# KiCad board PANEL5x4_COM_MOD.kicad_pcb (continued)
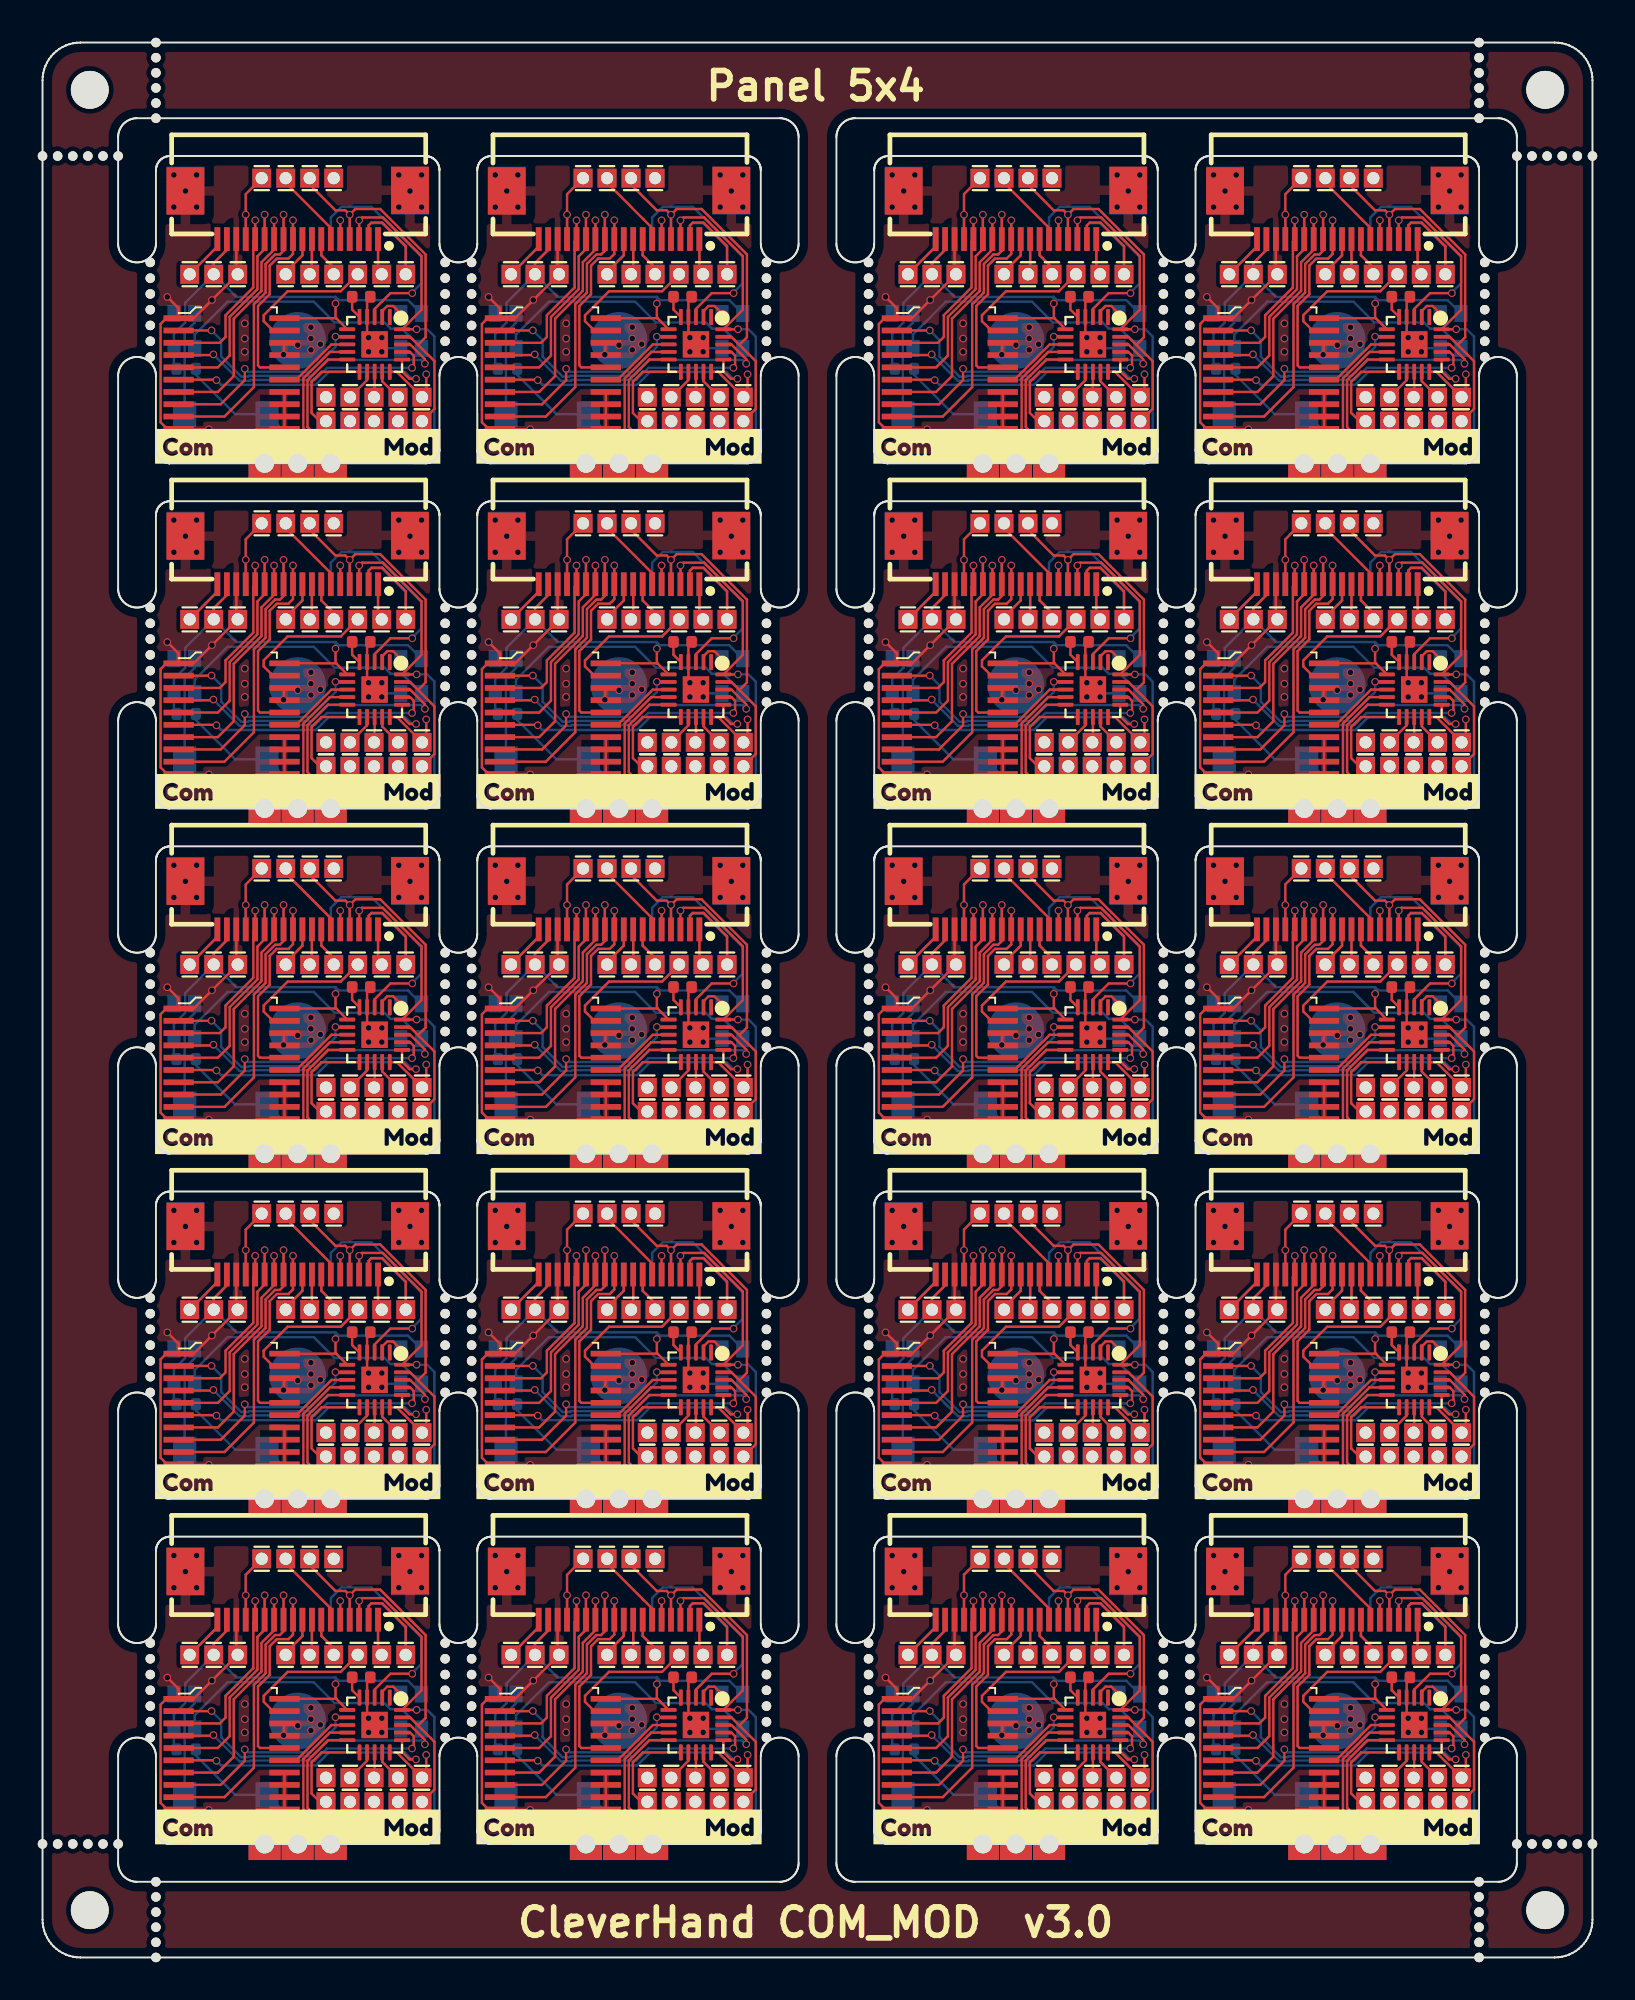
[diagram p0: board, top side]
## Routing (per net, layer and track width the routed paths; a pad name or vN(x,y) marks a point on that pad's centre or on a via; arc(x,y) is an arc through that point) (continued)
Board_9-Net-(LED1-DO): length 14.5
  Bottom w0.127: 37.05,48.59 36.01,49.63 35.41,49.63 35.09,49.95 32.45,49.95 31.35,51.05 26.79,51.05 25.05,49.31 25.05,48.59
Board_10-+3.3V: length 26.7
  Top w0.127: U1#8.6 53.55,50.16 ; 53.55,50.16 53.53,50.18 U2#12.20 ; 53.55,50.16 53.5,50.21 v1(53.5,50.95) ; 47.75,54.33 47.75,53.79 47.05,53.09 J1#15.1
  Bottom w0.127: J1#15.1 48.26,51.3 53.5,51.3 ; J1#15.1 45.55,50.99 45.55,49.95 44.95,49.35 44.95,47.64 R1#8.1 ; J1#15.1 47.05,53.09 47.75,53.79 47.75,54.33 ; 58.05,50.42 57.34,51.13 53.67,51.13 53.5,51.3 ; 53.5,51.3 v1(53.5,50.95)
Board_10-/addr_bus_0: length 10.5
  Top w0.127: U2#12.3 47.37,48.88 47.68,49.18 47.68,50.33 49.15,51.8 49.15,54.23 49.25,54.33 v1(49.25,55.35)
  Bottom w0.127: 49.25,54.33 v1(49.25,55.35)
Board_10-/addr_bus_1: length 12.5
  Top w0.127: v1(49.75,55.65) 49.75,53.83 49.37,53.45 49.37,51.71 47.9,50.24 47.9,48.2 47.27,47.58 U2#12.5
  Bottom w0.127: 49.75,54.33 v1(49.75,55.65)
Board_10-/addr_bus_2: length 13.4
  Top w0.127: v1(50.25,55.35) 50.25,53.8 49.58,53.13 49.58,51.62 48.12,50.15 48.12,47.12 47.27,46.28 U2#12.7
  Bottom w0.127: 50.25,54.33 v1(50.25,55.35)
Board_10-/addr_bus_3: length 15.9
  Top w0.127: U2#12.9 47.62,44.98 49.18,46.53 49.18,50.91 49.8,51.53 49.8,53.04 50.3,53.55 50.55,53.55 50.75,53.74 v1(50.75,55.65)
  Bottom w0.127: 50.75,54.33 v1(50.75,55.65)
Board_10-/addr_bus_4: length 11.3
  Top w0.127: v1(51.25,55.35) 51.25,53.57 51.01,53.33 50.39,53.33 50.02,52.95 50.02,51.44 49.4,50.82 49.4,47.68 49.5,47.58 U2#12.16
  Bottom w0.127: 51.25,54.33 v1(51.25,55.35)
Board_10-/addr_mod_0: length 16.8
  Top w0.127: v1(58.23,47.77) 58.23,48.01 57.44,48.79 U1#8.18 ; v1(46.94,49.53) 46.93,49.53 U2#12.2
  Bottom w0.127: v1(46.94,49.53) 47.45,49.02 47.45,48.15 48.51,47.09 48.87,47.09 48.91,47.13 52.27,47.13 53.12,47.97 58.03,47.97 v1(58.23,47.77)
Board_10-/addr_mod_1: length 14.6
  Top w0.127: v1(57.55,47.55) 57.55,47.61 57.64,47.7 57.64,48.2 57.44,48.39 U1#8.17 ; v1(47.04,48.26) 47,48.23 U2#12.4
  Bottom w0.127: v1(47.04,48.26) 47.04,48.25 48.42,46.87 48.96,46.87 49,46.91 52.41,46.91 53.05,47.55 v1(57.55,47.55)
Board_10-/addr_mod_2: length 14.6
  Top w0.127: U1#8.16 57.02,47.37 57.42,46.97 v1(57.76,46.97) ; v1(47.2,46.9) 47.17,46.93 U2#12.6
  Bottom w0.127: v1(47.2,46.9) 47.45,46.65 52.46,46.65 53.14,47.33 57.18,47.33 57.55,46.97 v1(57.76,46.97)
Board_10-/addr_mod_3: length 11.2
  Top w0.127: v1(53.5,49.2) 53.68,49.2 53.69,49.19 U1#8.7 ; U2#12.8 47.42,45.63 48.7,46.9 v1(48.7,47.5)
  Bottom w0.127: v1(48.7,47.5) 48.85,47.35 52.18,47.35 53.5,48.66 v1(53.5,49.2)
Board_10-/addr_mod_4: length 4.1
  Top w0.127: U2#12.15 51.42,46.93 53.29,48.79 54.12,48.79 U1#8.8
Board_10-/AIN0: length 5.3
  Top w0.127: U1#8.11 52.76,47.34 52.23,46.81 52.23,45.17 52.67,44.73 53,44.73
Board_10-/AUX1: length 4.9
  Top w0.127: J19#13.1 47.25,53.97 47.25,54.33
  Bottom w0.127: 47.25,54.33 47.25,53.97 J19#13.1
Board_10-/AUX2: length 9.5
  Top w0.127: 55.25,54.33 55.25,55.08 55.4,55.23 55.97,55.23 57.22,53.99 J20#16.1
  Bottom w0.127: 55.25,54.33 55.25,55.08 55.37,55.2 55.96,55.2 57.22,53.94 J20#16.1
Board_10-/AUX3: length 4.9
  Top w0.127: 48.75,54.33 v1(48.75,55.65) 48.75,56.74 J3#3.1
  Bottom w0.127: v1(48.75,55.65) 48.75,54.33
Board_10-/CSB: length 7.5
  Top w0.127: J8.1 53.77,51.6 50.97,51.6 49.7,50.33 49.7,50.02 50.19,49.53 U2#12.19
Board_10-/extRef: length 3.8
  Top w0.127: J9#4.1 55.75,52.7 55.75,54.33
  Bottom w0.127: 55.75,54.33 55.75,52.7 J9#4.1
Board_10-/GPIO: length 17.7
  Top w0.127: U1#8.10 53.1,47.99 52.02,46.9 52.02,44.42 52.36,44.08 53.62,44.08 54.27,44.73
  Bottom w0.127: 54.27,44.73 53.62,44.08 50.91,44.08 49.88,45.1 48.19,45.1 46.11,47.18 R1#8.2
Board_10-/i2C_SCL: length 22.5
  Top w0.127: 54.75,54.33 v1(54.75,55.35) 54.9,55.5 56.01,55.5 58.05,53.46 58.05,50.62 U1#8.20 v1(57.79,49.59)
  In2.Cu w0.127: J23#12.1 54.75,56.24 v1(54.75,55.35)
  Bottom w0.127: 56.81,44.73 57.46,44.08 58.73,44.08 58.73,49.21 58.35,49.59 v1(57.79,49.59) ; v1(54.75,55.35) 54.75,54.33
Board_10-/I2C_SDA: length 21.5
  Top w0.127: 57.87,48.77 58.27,49.17 58.27,53.55 55.86,55.95 54.55,55.95 v1(54.25,55.65) ; 57.87,48.77 57.44,49.19 U1#8.19 ; 57.87,48.77 58.73,47.9 58.73,45.38 58.08,44.73 ; v1(54.25,55.65) 54.02,55.88 53.49,55.88 52.13,57.24 J10#4.1 ; v1(54.25,55.65) 54.25,54.33
  Bottom w0.127: v1(54.25,55.65) 54.25,54.33
Board_10-/IO1_in: length 12.2
  Top w0.127: U1#8.3 55.57,50.67 56.4,51.5 v1(57.56,51.5)
  Bottom w0.127: v1(57.56,51.5) 57.56,51.54 58.05,52.03 58.05,53.41 55.4,56.06 53.81,56.06 53.25,55.5 53.25,54.33
Board_10-/IO1_out: length 24.7
  Top w0.127: U1#8.15 56.74,47.34 58.08,46 58.3,46.22 v1(58.3,47.21) ; J4#20.1 50.87,57.34 53.25,54.95 53.25,54.33
  In2.Cu w0.127: v1(58.3,47.21) 58.64,47.55 58.64,53.21 55.7,56.15 55.7,56.59 54.01,58.28 51.09,58.28 50.87,58.05 J4#20.1
Board_10-/IO2: length 2.1
  Top w0.127: v1(53.75,55.35) 53.75,54.33
  Bottom w0.127: 53.75,54.33 v1(53.75,55.35)
Board_10-/LED_IN: length 1.6
  Top w0.127: v1(56.95,50.42) 56.55,50.82 56.23,50.82 55.97,50.55 U1#8.2
Board_10-/PICO: length 3.7
  Top w0.127: 52.25,54.33 52.25,52.62 J6#17.1
  Bottom w0.127: 52.25,54.33 52.25,52.62 J6#17.1
Board_10-/PICO_ARM: length 1.4
  Top w0.127: U1#8.13 55.57,46.03 55.54,46
Board_10-/POCI: length 4.4
  Top w0.127: J5#2.1 50.87,52.62 51.75,53.5 51.75,54.33
  Bottom w0.127: J5#2.1 50.87,52.62 51.75,53.5 51.75,54.33
Board_10-/SCLK: length 4.2
  Top w0.127: J7#6.1 53.41,52.85 52.75,53.5 52.75,54.33
  Bottom w0.127: J7#6.1 53.41,52.85 52.75,53.5 52.75,54.33
Board_10-/SCLK_ARM: length 1.7
  Top w0.127: 54.27,46 55.17,46.9 U1#8.12
Board_10-/SPICS_ARM: length 9.9
  Top w0.127: 55.54,44.73 54.67,43.86 52.27,43.86 51.8,44.33 51.8,46.99 53.2,48.39 U1#8.9
Board_10-/SWDIO/POCI_ARM: length 1.7
  Top w0.127: U1#8.14 55.97,46.84 56.81,46
Board_10-/Vcap: length 1.2
  Top w0.127: U1#8.5 54.38,50.63 C1#20.2
Board_10-GND: length 34.7
  Top w0.127: U2#12.11 U2#12.14 50.34,46.28 ; U2#12.11 51.45,44.33 ; U2#12.11 49.32,44.33 v1(49.1,44.1) ; v1(44.6,51.3) 45.2,50.7 U2#12.1 ; U2#12.17 v1(50.75,48.25) U2#12.18 ; U1#8.21 55.25,49.11 v1(55.25,49.15) 55.21,49.15 55.17,49.19 U1#8.4 55.17,51.14 C1#20.1 ; U2#12.1 46,50.18 v1(46.96,51.14) J2#7.1 48.25,52.58 48.25,54.33 ; U2#12.1 44.55,50.18 44.25,49.87 44.25,44.67 44.59,44.33 U2#12.10 45.23,44.3 v1(46.8,44.3)
  Bottom w0.127: v1(46.96,51.14) 46.24,50.42 46.05,50.42 46.05,49.94 45.51,49.4 45.51,45.1 ; J2#7.1 48.25,52.58 48.25,54.33 ; 56.95,48.59 56.13,48.59 v1(55.95,48.4) 55.76,48.59 55.66,48.59
  vias: v1(44.95,57.75) v1(44.95,56.05) v1(45.56,56.9) v1(46.15,57.75) v1(46.15,56.05) v1(48.7,49.9) v1(48.7,49.1) v1(48.7,48.4) v1(51.5,48.75) v1(52.2,49.7) v1(52.2,49.1) v1(52.2,48.5) v1(52.7,48.8) v1(55.25,48.4) v1(55.95,49.15) v1(56.85,57.75) v1(56.85,56.05) v1(57.44,56.9) v1(58.05,57.75) v1(58.05,56.05)
Board_10-Net-(LED1-DO): length 14.5
  Bottom w0.127: 58.05,48.59 57.01,49.63 56.41,49.63 56.09,49.95 53.45,49.95 52.35,51.05 47.79,51.05 46.05,49.31 46.05,48.59
Board_11-+3.3V: length 26.7
  Top w0.127: v1(70.5,50.95) 70.5,50.21 70.55,50.16 ; J1#3.1 64.06,53.09 64.75,53.79 64.75,54.33 ; 70.55,50.16 70.53,50.18 U2.20 ; 70.55,50.16 U1#18.6
  Bottom w0.127: 75.05,50.42 74.34,51.13 70.67,51.13 70.5,51.3 ; 70.5,51.3 65.25,51.3 J1#3.1 ; 70.5,51.3 v1(70.5,50.95) ; J1#3.1 62.55,50.99 62.55,49.95 61.95,49.35 61.95,47.64 R1#4.1 ; J1#3.1 64.06,53.09 64.75,53.79 64.75,54.33
Board_11-/addr_bus_0: length 10.5
  Top w0.127: v1(66.25,55.35) 66.25,54.33 66.15,54.23 66.15,51.8 64.68,50.33 64.68,49.18 64.37,48.88 U2.3
  Bottom w0.127: 66.25,54.33 v1(66.25,55.35)
Board_11-/addr_bus_1: length 12.5
  Top w0.127: v1(66.75,55.65) 66.75,53.83 66.37,53.45 66.37,51.71 64.9,50.24 64.9,48.2 64.27,47.58 U2.5
  Bottom w0.127: 66.75,54.33 v1(66.75,55.65)
Board_11-/addr_bus_2: length 13.4
  Top w0.127: U2.7 64.27,46.28 65.12,47.12 65.12,50.15 66.58,51.62 66.58,53.13 67.25,53.8 v1(67.25,55.35)
  Bottom w0.127: 67.25,54.33 v1(67.25,55.35)
Board_11-/addr_bus_3: length 15.9
  Top w0.127: U2.9 64.62,44.98 66.18,46.53 66.18,50.91 66.8,51.53 66.8,53.04 67.3,53.55 67.55,53.55 67.75,53.74 v1(67.75,55.65)
  Bottom w0.127: 67.75,54.33 v1(67.75,55.65)
Board_11-/addr_bus_4: length 11.3
  Top w0.127: v1(68.25,55.35) 68.25,53.57 68.01,53.33 67.39,53.33 67.02,52.95 67.02,51.44 66.4,50.82 66.4,47.68 66.5,47.58 U2.16
  Bottom w0.127: 68.25,54.33 v1(68.25,55.35)
Board_11-/addr_mod_0: length 16.8
  Top w0.127: v1(75.23,47.77) 75.23,48.01 74.44,48.79 U1#18.18 ; v1(63.94,49.53) 63.93,49.53 U2.2
  Bottom w0.127: v1(63.94,49.53) 64.45,49.02 64.45,48.15 65.51,47.09 65.87,47.09 65.91,47.13 69.27,47.13 70.12,47.97 75.03,47.97 v1(75.23,47.77)
Board_11-/addr_mod_1: length 14.6
  Top w0.127: v1(64.04,48.26) 64,48.23 U2.4 ; v1(74.55,47.55) 74.55,47.61 74.64,47.7 74.64,48.2 74.44,48.39 U1#18.17
  Bottom w0.127: v1(74.55,47.55) 70.05,47.55 69.41,46.91 66,46.91 65.96,46.87 65.42,46.87 64.04,48.25 v1(64.04,48.26)
Board_11-/addr_mod_2: length 14.6
  Top w0.127: v1(74.76,46.97) 74.42,46.97 74.02,47.37 U1#18.16 ; U2.6 64.17,46.93 v1(64.2,46.9)
  Bottom w0.127: v1(74.76,46.97) 74.55,46.97 74.18,47.33 70.14,47.33 69.46,46.65 64.45,46.65 v1(64.2,46.9)
Board_11-/addr_mod_3: length 11.2
  Top w0.127: U1#18.7 70.69,49.19 70.68,49.2 v1(70.5,49.2) ; v1(65.7,47.5) 65.7,46.9 64.42,45.63 U2.8
  Bottom w0.127: v1(65.7,47.5) 65.85,47.35 69.18,47.35 70.5,48.66 v1(70.5,49.2)
Board_11-/addr_mod_4: length 4.1
  Top w0.127: U2.15 68.42,46.93 70.29,48.79 71.12,48.79 U1#18.8
Board_11-/AIN0: length 5.3
  Top w0.127: U1#18.11 69.76,47.34 69.23,46.81 69.23,45.17 69.67,44.73 70,44.73
Board_11-/AUX1: length 4.9
  Top w0.127: J19#4.1 64.25,53.97 64.25,54.33
  Bottom w0.127: J19#4.1 64.25,53.97 64.25,54.33
Board_11-/AUX2: length 9.5
  Top w0.127: 72.25,54.33 72.25,55.08 72.4,55.23 72.97,55.23 74.22,53.99 J20#13.1
  Bottom w0.127: 72.25,54.33 72.25,55.08 72.37,55.2 72.96,55.2 74.22,53.94 J20#13.1
Board_11-/AUX3: length 4.9
  Top w0.127: 65.75,54.33 v1(65.75,55.65) 65.75,56.74 J3#5.1
  Bottom w0.127: v1(65.75,55.65) 65.75,54.33
Board_11-/CSB: length 7.5
  Top w0.127: J8#11.1 70.78,51.6 67.97,51.6 66.7,50.33 66.7,50.02 67.19,49.53 U2.19
Board_11-/extRef: length 3.8
  Top w0.127: J9#7.1 72.75,52.7 72.75,54.33
  Bottom w0.127: 72.75,54.33 72.75,52.7 J9#7.1
Board_11-/GPIO: length 17.7
  Top w0.127: 71.27,44.73 70.62,44.08 69.36,44.08 69.02,44.42 69.02,46.9 70.1,47.99 U1#18.10
  Bottom w0.127: 71.27,44.73 70.62,44.08 67.91,44.08 66.88,45.1 65.19,45.1 63.11,47.18 R1#4.2
Board_11-/i2C_SCL: length 22.5
  Top w0.127: v1(74.79,49.59) U1#18.20 75.05,50.62 75.05,53.46 73.01,55.5 71.9,55.5 v1(71.75,55.35) 71.75,54.33
  In2.Cu w0.127: J23#15.1 71.75,56.24 v1(71.75,55.35)
  Bottom w0.127: 73.81,44.73 74.46,44.08 75.73,44.08 75.73,49.21 75.35,49.59 v1(74.79,49.59) ; v1(71.75,55.35) 71.75,54.33
Board_11-/I2C_SDA: length 21.5
  Top w0.127: v1(71.25,55.65) 71.55,55.95 72.86,55.95 75.27,53.55 75.27,49.17 74.87,48.77 ; v1(71.25,55.65) 71.02,55.88 70.5,55.88 69.14,57.24 J10#20.1 ; v1(71.25,55.65) 71.25,54.33 ; 74.87,48.77 74.44,49.19 U1#18.19 ; 74.87,48.77 75.73,47.9 75.73,45.38 75.08,44.73
  Bottom w0.127: v1(71.25,55.65) 71.25,54.33
Board_11-/IO1_in: length 12.2
  Top w0.127: U1#18.3 72.57,50.67 73.4,51.5 v1(74.56,51.5)
  Bottom w0.127: 70.25,54.33 70.25,55.5 70.81,56.06 72.4,56.06 75.05,53.41 75.05,52.03 74.56,51.54 v1(74.56,51.5)
Board_11-/IO1_out: length 24.7
  Top w0.127: 70.25,54.33 70.25,54.95 67.86,57.34 J4#5.1 ; v1(75.3,47.21) 75.3,46.22 75.08,46 73.74,47.34 U1#18.15
  In2.Cu w0.127: J4#5.1 67.86,58.05 68.09,58.28 71.01,58.28 72.7,56.59 72.7,56.15 75.64,53.21 75.64,47.55 v1(75.3,47.21)
Board_11-/IO2: length 2.1
  Top w0.127: v1(70.75,55.35) 70.75,54.33
  Bottom w0.127: 70.75,54.33 v1(70.75,55.35)
Board_11-/LED_IN: length 1.6
  Top w0.127: v1(73.95,50.42) 73.55,50.82 73.23,50.82 72.97,50.55 U1#18.2
Board_11-/PICO: length 3.7
  Top w0.127: J6#2.1 69.25,52.62 69.25,54.33
  Bottom w0.127: J6#2.1 69.25,52.62 69.25,54.33
Board_11-/PICO_ARM: length 1.4
  Top w0.127: U1#18.13 72.57,46.03 72.54,46
Board_11-/POCI: length 4.4
  Top w0.127: J5#7.1 67.86,52.62 68.75,53.5 68.75,54.33
  Bottom w0.127: 68.75,54.33 68.75,53.5 67.86,52.62 J5#7.1
Board_11-/SCLK: length 4.2
  Top w0.127: 69.75,54.33 69.75,53.5 70.41,52.85 J7#12.1
  Bottom w0.127: 69.75,54.33 69.75,53.5 70.41,52.85 J7#12.1
Board_11-/SCLK_ARM: length 1.7
  Top w0.127: 71.27,46 72.17,46.9 U1#18.12
Board_11-/SPICS_ARM: length 9.9
  Top w0.127: 72.54,44.73 71.67,43.86 69.27,43.86 68.8,44.33 68.8,46.99 70.2,48.39 U1#18.9
Board_11-/SWDIO/POCI_ARM: length 1.7
  Top w0.127: U1#18.14 72.97,46.84 73.81,46
Board_11-/Vcap: length 1.2
  Top w0.127: C1#16.2 71.38,50.63 U1#18.5
Board_11-GND: length 34.7
  Top w0.127: U2.1 62.2,50.7 v1(61.6,51.3) ; U2.1 61.55,50.18 61.25,49.87 61.25,44.67 61.59,44.33 U2.10 62.23,44.3 v1(63.8,44.3) ; U2.1 63,50.18 v1(63.96,51.14) J2#18.1 65.25,52.58 65.25,54.33 ; U2.17 v1(67.75,48.25) U2.18 ; U2.11 66.32,44.33 v1(66.1,44.1) ; U2.11 U2.14 67.34,46.28 ; U2.11 68.45,44.33 ; C1#16.1 72.17,51.14 U1#18.4 72.17,49.19 72.21,49.15 v1(72.25,49.15) 72.25,49.11 U1#18.21
  Bottom w0.127: 72.66,48.59 72.76,48.59 v1(72.95,48.4) 73.13,48.59 73.95,48.59 ; 62.51,45.1 62.51,49.4 63.05,49.94 63.05,50.42 63.24,50.42 v1(63.96,51.14) ; 65.25,54.33 65.25,52.58 J2#18.1
  vias: v1(61.95,57.75) v1(61.95,56.05) v1(62.56,56.9) v1(63.15,57.75) v1(63.15,56.05) v1(65.7,49.9) v1(65.7,49.1) v1(65.7,48.4) v1(68.5,48.75) v1(69.2,49.7) v1(69.2,49.1) v1(69.2,48.5) v1(69.7,48.8) v1(72.25,48.4) v1(72.95,49.15) v1(73.85,57.75) v1(73.85,56.05) v1(74.44,56.9) v1(75.05,57.75) v1(75.05,56.05)
Board_11-Net-(LED1-DO): length 14.5
  Bottom w0.127: 75.05,48.59 74.01,49.63 73.41,49.63 73.09,49.95 70.45,49.95 69.35,51.05 64.79,51.05 63.05,49.31 63.05,48.59
Board_12-+3.3V: length 26.7
  Top w0.127: 9.75,36.08 9.75,35.54 9.05,34.84 J1#9.1 ; U2#4.20 15.53,31.93 15.55,31.91 ; U1#6.6 15.55,31.91 ; 15.55,31.91 15.5,31.96 v1(15.5,32.7)
  Bottom w0.127: 15.5,33.05 v1(15.5,32.7) ; 15.5,33.05 15.67,32.88 19.34,32.88 20.05,32.17 ; 15.5,33.05 10.25,33.05 J1#9.1 ; R1#19.1 6.95,29.39 6.95,31.1 7.55,31.7 7.55,32.74 J1#9.1 ; 9.75,36.08 9.75,35.54 9.05,34.84 J1#9.1
Board_12-/addr_bus_0: length 10.5
  Top w0.127: v1(11.25,37.1) 11.25,36.08 11.15,35.98 11.15,33.55 9.68,32.08 9.68,30.93 9.37,30.63 U2#4.3
  Bottom w0.127: 11.25,36.08 v1(11.25,37.1)
Board_12-/addr_bus_1: length 12.5
  Top w0.127: v1(11.75,37.4) 11.75,35.58 11.37,35.2 11.37,33.46 9.9,31.99 9.9,29.95 9.27,29.33 U2#4.5
  Bottom w0.127: 11.75,36.08 v1(11.75,37.4)
Board_12-/addr_bus_2: length 13.4
  Top w0.127: U2#4.7 9.27,28.03 10.12,28.87 10.12,31.9 11.58,33.37 11.58,34.88 12.25,35.55 v1(12.25,37.1)
  Bottom w0.127: 12.25,36.08 v1(12.25,37.1)
Board_12-/addr_bus_3: length 15.9
  Top w0.127: v1(12.75,37.4) 12.75,35.49 12.55,35.3 12.3,35.3 11.8,34.79 11.8,33.28 11.18,32.66 11.18,28.28 9.62,26.73 U2#4.9
  Bottom w0.127: 12.75,36.08 v1(12.75,37.4)
Board_12-/addr_bus_4: length 11.3
  Top w0.127: v1(13.25,37.1) 13.25,35.32 13.01,35.08 12.39,35.08 12.02,34.7 12.02,33.19 11.4,32.57 11.4,29.43 11.5,29.33 U2#4.16
  Bottom w0.127: 13.25,36.08 v1(13.25,37.1)
Board_12-/addr_mod_0: length 16.8
  Top w0.127: U1#6.18 19.44,30.54 20.23,29.76 v1(20.23,29.52) ; v1(8.94,31.28) 8.93,31.28 U2#4.2
  Bottom w0.127: v1(20.23,29.52) 20.03,29.72 15.12,29.72 14.27,28.88 10.91,28.88 10.87,28.84 10.51,28.84 9.45,29.9 9.45,30.77 v1(8.94,31.28)
Board_12-/addr_mod_1: length 14.6
  Top w0.127: U2#4.4 9,29.98 v1(9.04,30.01) ; U1#6.17 19.44,30.14 19.64,29.95 19.64,29.45 19.55,29.36 v1(19.55,29.3)
  Bottom w0.127: v1(9.04,30.01) 9.04,30 10.42,28.62 10.96,28.62 11,28.66 14.41,28.66 15.05,29.3 v1(19.55,29.3)
Board_12-/addr_mod_2: length 14.6
  Top w0.127: U2#4.6 9.17,28.68 v1(9.2,28.65) ; U1#6.16 19.02,29.12 19.42,28.72 v1(19.76,28.72)
  Bottom w0.127: v1(9.2,28.65) 9.45,28.4 14.46,28.4 15.14,29.08 19.18,29.08 19.55,28.72 v1(19.76,28.72)
Board_12-/addr_mod_3: length 11.2
  Top w0.127: U1#6.7 15.69,30.94 15.68,30.95 v1(15.5,30.95) ; U2#4.8 9.42,27.38 10.7,28.65 v1(10.7,29.25)
  Bottom w0.127: v1(15.5,30.95) 15.5,30.41 14.18,29.1 10.85,29.1 v1(10.7,29.25)
Board_12-/addr_mod_4: length 4.1
  Top w0.127: U2#4.15 13.42,28.68 15.29,30.54 16.12,30.54 U1#6.8
Board_12-/AIN0: length 5.3
  Top w0.127: U1#6.11 14.76,29.09 14.23,28.56 14.23,26.92 14.67,26.48 15,26.48
Board_12-/AUX1: length 4.9
  Top w0.127: J19#16.1 9.25,35.72 9.25,36.08
  Bottom w0.127: J19#16.1 9.25,35.72 9.25,36.08
Board_12-/AUX2: length 9.5
  Top w0.127: J20#3.1 19.21,35.73 17.97,36.98 17.4,36.98 17.25,36.83 17.25,36.08
  Bottom w0.127: 17.25,36.08 17.25,36.83 17.37,36.95 17.96,36.95 19.21,35.69 J20#3.1
Board_12-/AUX3: length 4.9
  Top w0.127: J3#7.1 10.75,38.49 v1(10.75,37.4) 10.75,36.08
  Bottom w0.127: v1(10.75,37.4) 10.75,36.08
Board_12-/CSB: length 7.5
  Top w0.127: U2#4.19 12.19,31.28 11.7,31.77 11.7,32.08 12.97,33.35 15.77,33.35 J8#13.1
Board_12-/extRef: length 3.8
  Top w0.127: 17.75,36.08 17.75,34.45 J9#2.1
  Bottom w0.127: J9#2.1 17.75,34.45 17.75,36.08
Board_12-/GPIO: length 17.7
  Top w0.127: U1#6.10 15.1,29.74 14.02,28.65 14.02,26.17 14.36,25.83 15.62,25.83 16.27,26.48
  Bottom w0.127: R1#19.2 8.11,28.93 10.19,26.85 11.88,26.85 12.91,25.83 15.62,25.83 16.27,26.48
Board_12-/i2C_SCL: length 22.5
  Top w0.127: 16.75,36.08 v1(16.75,37.1) 16.9,37.25 18.01,37.25 20.05,35.21 20.05,32.37 U1#6.20 v1(19.79,31.34)
  In2.Cu w0.127: J23#2.1 16.75,37.99 v1(16.75,37.1)
  Bottom w0.127: 18.81,26.48 19.46,25.83 20.73,25.83 20.73,30.96 20.35,31.34 v1(19.79,31.34) ; v1(16.75,37.1) 16.75,36.08
Board_12-/I2C_SDA: length 21.5
  Top w0.127: v1(16.25,37.4) 16.55,37.7 17.86,37.7 20.27,35.3 20.27,30.92 19.87,30.52 ; v1(16.25,37.4) 16.25,36.08 ; v1(16.25,37.4) 16.02,37.63 15.5,37.63 14.14,38.99 J10#7.1 ; 20.08,26.48 20.73,27.13 20.73,29.65 19.87,30.52 ; 19.87,30.52 19.44,30.94 U1#6.19
  Bottom w0.127: v1(16.25,37.4) 16.25,36.08
Board_12-/IO1_in: length 12.2
  Top w0.127: v1(19.56,33.25) 18.4,33.25 17.57,32.42 U1#6.3
  Bottom w0.127: v1(19.56,33.25) 19.56,33.29 20.05,33.78 20.05,35.16 17.4,37.81 15.81,37.81 15.25,37.25 15.25,36.08
Board_12-/IO1_out: length 24.7
  Top w0.127: U1#6.15 18.74,29.09 20.08,27.75 20.3,27.97 v1(20.3,28.96) ; 15.25,36.08 15.25,36.7 12.86,39.09 J4#3.1
  In2.Cu w0.127: J4#3.1 12.86,39.8 13.09,40.03 16.01,40.03 17.7,38.34 17.7,37.9 20.64,34.96 20.64,29.3 v1(20.3,28.96)
Board_12-/IO2: length 2.1
  Top w0.127: v1(15.75,37.1) 15.75,36.08
  Bottom w0.127: 15.75,36.08 v1(15.75,37.1)
Board_12-/LED_IN: length 1.6
  Top w0.127: U1#6.2 17.97,32.3 18.23,32.57 18.55,32.57 v1(18.95,32.17)
Board_12-/PICO: length 3.7
  Top w0.127: J6#13.1 14.25,34.37 14.25,36.08
  Bottom w0.127: 14.25,36.08 14.25,34.37 J6#13.1
Board_12-/PICO_ARM: length 1.4
  Top w0.127: 17.54,27.75 17.57,27.78 U1#6.13
Board_12-/POCI: length 4.4
  Top w0.127: J5#5.1 12.86,34.37 13.75,35.25 13.75,36.08
  Bottom w0.127: J5#5.1 12.86,34.37 13.75,35.25 13.75,36.08
Board_12-/SCLK: length 4.2
  Top w0.127: 14.75,36.08 14.75,35.25 15.41,34.6 J7#4.1
  Bottom w0.127: 14.75,36.08 14.75,35.25 15.41,34.6 J7#4.1
Board_12-/SCLK_ARM: length 1.7
  Top w0.127: 16.27,27.75 17.17,28.65 U1#6.12
Board_12-/SPICS_ARM: length 9.9
  Top w0.127: 17.54,26.48 16.67,25.61 14.27,25.61 13.8,26.08 13.8,28.74 15.2,30.14 U1#6.9
Board_12-/SWDIO/POCI_ARM: length 1.7
  Top w0.127: 18.81,27.75 17.97,28.59 U1#6.14
Board_12-/Vcap: length 1.2
  Top w0.127: U1#6.5 16.38,32.38 C1#9.2
Board_12-GND: length 34.7
  Top w0.127: U1#6.21 17.25,30.86 v1(17.25,30.9) 17.21,30.9 17.17,30.94 U1#6.4 17.17,32.89 C1#9.1 ; v1(8.8,26.05) 7.23,26.05 U2#4.10 6.59,26.08 6.25,26.42 6.25,31.62 6.55,31.93 U2#4.1 ; U2#4.17 v1(12.75,30) U2#4.18 ; v1(11.1,25.85) 11.32,26.08 U2#4.11 ; U2#4.11 13.45,26.08 ; U2#4.11 U2#4.14 12.34,28.03 ; U2#4.1 7.2,32.45 v1(6.6,33.05) ; U2#4.1 8,31.93 v1(8.96,32.89) J2#19.1 10.25,34.33 10.25,36.08
  Bottom w0.127: v1(8.96,32.89) 8.24,32.17 8.05,32.17 8.05,31.69 7.51,31.15 7.51,26.85 ; J2#19.1 10.25,34.33 10.25,36.08 ; 18.95,30.34 18.13,30.34 v1(17.95,30.15) 17.76,30.34 17.66,30.34
  vias: v1(6.95,39.5) v1(6.95,37.8) v1(7.56,38.65) v1(8.15,39.5) v1(8.15,37.8) v1(10.7,31.65) v1(10.7,30.85) v1(10.7,30.15) v1(13.5,30.5) v1(14.2,31.45) v1(14.2,30.85) v1(14.2,30.25) v1(14.7,30.55) v1(17.25,30.15) v1(17.95,30.9) v1(18.85,39.5) v1(18.85,37.8) v1(19.44,38.65) v1(20.05,39.5) v1(20.05,37.8)
Board_12-Net-(LED1-DO): length 14.5
  Bottom w0.127: 20.05,30.34 19.01,31.38 18.41,31.38 18.09,31.7 15.45,31.7 14.35,32.8 9.79,32.8 8.05,31.06 8.05,30.34
Board_13-+3.3V: length 26.7
  Top w0.127: v1(32.5,32.7) 32.5,31.96 32.55,31.91 ; 32.55,31.91 U1#7.6 ; 32.55,31.91 32.53,31.93 U2#18.20 ; 26.75,36.08 26.75,35.54 26.05,34.84 J1#10.1
  Bottom w0.127: R1#20.1 23.95,29.39 23.95,31.1 24.55,31.7 24.55,32.74 J1#10.1 ; 32.5,33.05 v1(32.5,32.7) ; 32.5,33.05 32.67,32.88 36.34,32.88 37.05,32.17 ; 32.5,33.05 27.26,33.05 J1#10.1 ; 26.75,36.08 26.75,35.54 26.05,34.84 J1#10.1
Board_13-/addr_bus_0: length 10.5
  Top w0.127: U2#18.3 26.37,30.63 26.68,30.93 26.68,32.08 28.15,33.55 28.15,35.98 28.25,36.08 v1(28.25,37.1)
  Bottom w0.127: 28.25,36.08 v1(28.25,37.1)
Board_13-/addr_bus_1: length 12.5
  Top w0.127: U2#18.5 26.27,29.33 26.9,29.95 26.9,31.99 28.37,33.46 28.37,35.2 28.75,35.58 v1(28.75,37.4)
  Bottom w0.127: 28.75,36.08 v1(28.75,37.4)
Board_13-/addr_bus_2: length 13.4
  Top w0.127: U2#18.7 26.27,28.03 27.12,28.87 27.12,31.9 28.58,33.37 28.58,34.88 29.25,35.55 v1(29.25,37.1)
  Bottom w0.127: 29.25,36.08 v1(29.25,37.1)
Board_13-/addr_bus_3: length 15.9
  Top w0.127: v1(29.75,37.4) 29.75,35.49 29.55,35.3 29.3,35.3 28.8,34.79 28.8,33.28 28.18,32.66 28.18,28.28 26.62,26.73 U2#18.9
  Bottom w0.127: 29.75,36.08 v1(29.75,37.4)
Board_13-/addr_bus_4: length 11.3
  Top w0.127: v1(30.25,37.1) 30.25,35.32 30.01,35.08 29.39,35.08 29.02,34.7 29.02,33.19 28.4,32.57 28.4,29.43 28.5,29.33 U2#18.16
  Bottom w0.127: 30.25,36.08 v1(30.25,37.1)
Board_13-/addr_mod_0: length 16.8
  Top w0.127: v1(37.23,29.52) 37.23,29.76 36.44,30.54 U1#7.18 ; v1(25.94,31.28) 25.93,31.28 U2#18.2
  Bottom w0.127: v1(25.94,31.28) 26.45,30.77 26.45,29.9 27.51,28.84 27.87,28.84 27.91,28.88 31.27,28.88 32.12,29.72 37.03,29.72 v1(37.23,29.52)
Board_13-/addr_mod_1: length 14.6
  Top w0.127: U1#7.17 36.44,30.14 36.64,29.95 36.64,29.45 36.55,29.36 v1(36.55,29.3) ; v1(26.04,30.01) 26,29.98 U2#18.4
  Bottom w0.127: v1(36.55,29.3) 32.05,29.3 31.41,28.66 28,28.66 27.96,28.62 27.42,28.62 26.04,30 v1(26.04,30.01)
Board_13-/addr_mod_2: length 14.6
  Top w0.127: U1#7.16 36.02,29.12 36.42,28.72 v1(36.76,28.72) ; U2#18.6 26.17,28.68 v1(26.2,28.65)
  Bottom w0.127: v1(26.2,28.65) 26.45,28.4 31.46,28.4 32.14,29.08 36.18,29.08 36.55,28.72 v1(36.76,28.72)
Board_13-/addr_mod_3: length 11.2
  Top w0.127: v1(32.5,30.95) 32.68,30.95 32.69,30.94 U1#7.7 ; U2#18.8 26.42,27.38 27.7,28.65 v1(27.7,29.25)
  Bottom w0.127: v1(32.5,30.95) 32.5,30.41 31.18,29.1 27.85,29.1 v1(27.7,29.25)
Board_13-/addr_mod_4: length 4.1
  Top w0.127: U2#18.15 30.42,28.68 32.29,30.54 33.12,30.54 U1#7.8
Board_13-/AIN0: length 5.3
  Top w0.127: 32,26.48 31.67,26.48 31.23,26.92 31.23,28.56 31.76,29.09 U1#7.11
Board_13-/AUX1: length 4.9
  Top w0.127: 26.25,36.08 26.25,35.72 J19#19.1
  Bottom w0.127: J19#19.1 26.25,35.72 26.25,36.08
Board_13-/AUX2: length 9.5
  Top w0.127: J20#4.1 36.22,35.73 34.97,36.98 34.4,36.98 34.25,36.83 34.25,36.08
  Bottom w0.127: 34.25,36.08 34.25,36.83 34.37,36.95 34.96,36.95 36.22,35.69 J20#4.1
Board_13-/AUX3: length 4.9
  Top w0.127: J3#8.1 27.75,38.49 v1(27.75,37.4) 27.75,36.08
  Bottom w0.127: v1(27.75,37.4) 27.75,36.08
Board_13-/CSB: length 7.5
  Top w0.127: J8#6.1 32.77,33.35 29.97,33.35 28.7,32.08 28.7,31.77 29.19,31.28 U2#18.19
Board_13-/extRef: length 3.8
  Top w0.127: J9#12.1 34.75,34.45 34.75,36.08
  Bottom w0.127: J9#12.1 34.75,34.45 34.75,36.08
Board_13-/GPIO: length 17.7
  Top w0.127: U1#7.10 32.1,29.74 31.02,28.65 31.02,26.17 31.36,25.83 32.62,25.83 33.27,26.48
  Bottom w0.127: R1#20.2 25.11,28.93 27.19,26.85 28.88,26.85 29.91,25.83 32.62,25.83 33.27,26.48
Board_13-/i2C_SCL: length 22.5
  Top w0.127: v1(36.79,31.34) U1#7.20 37.05,32.37 37.05,35.21 35.01,37.25 33.9,37.25 v1(33.75,37.1) 33.75,36.08
  In2.Cu w0.127: v1(33.75,37.1) 33.75,37.99 J23#4.1
  Bottom w0.127: 35.81,26.48 36.46,25.83 37.73,25.83 37.73,30.96 37.35,31.34 v1(36.79,31.34) ; v1(33.75,37.1) 33.75,36.08
Board_13-/I2C_SDA: length 21.5
  Top w0.127: 36.87,30.52 37.73,29.65 37.73,27.13 37.08,26.48 ; 36.87,30.52 36.44,30.94 U1#7.19 ; 36.87,30.52 37.27,30.92 37.27,35.3 34.86,37.7 33.55,37.7 v1(33.25,37.4) ; v1(33.25,37.4) 33.02,37.63 32.49,37.63 31.13,38.99 J10#16.1 ; v1(33.25,37.4) 33.25,36.08
  Bottom w0.127: v1(33.25,37.4) 33.25,36.08
Board_13-/IO1_in: length 12.2
  Top w0.127: U1#7.3 34.57,32.42 35.4,33.25 v1(36.56,33.25)
  Bottom w0.127: 32.25,36.08 32.25,37.25 32.81,37.81 34.4,37.81 37.05,35.16 37.05,33.78 36.56,33.29 v1(36.56,33.25)
Board_13-/IO1_out: length 24.7
  Top w0.127: J4#19.1 29.87,39.09 32.25,36.7 32.25,36.08 ; v1(37.3,28.96) 37.3,27.97 37.08,27.75 35.74,29.09 U1#7.15
  In2.Cu w0.127: J4#19.1 29.87,39.8 30.09,40.03 33.01,40.03 34.7,38.34 34.7,37.9 37.64,34.96 37.64,29.3 v1(37.3,28.96)
